# Altium PCB PROC099A_PCB.PcbDoc (part 1 of 6) (continued)
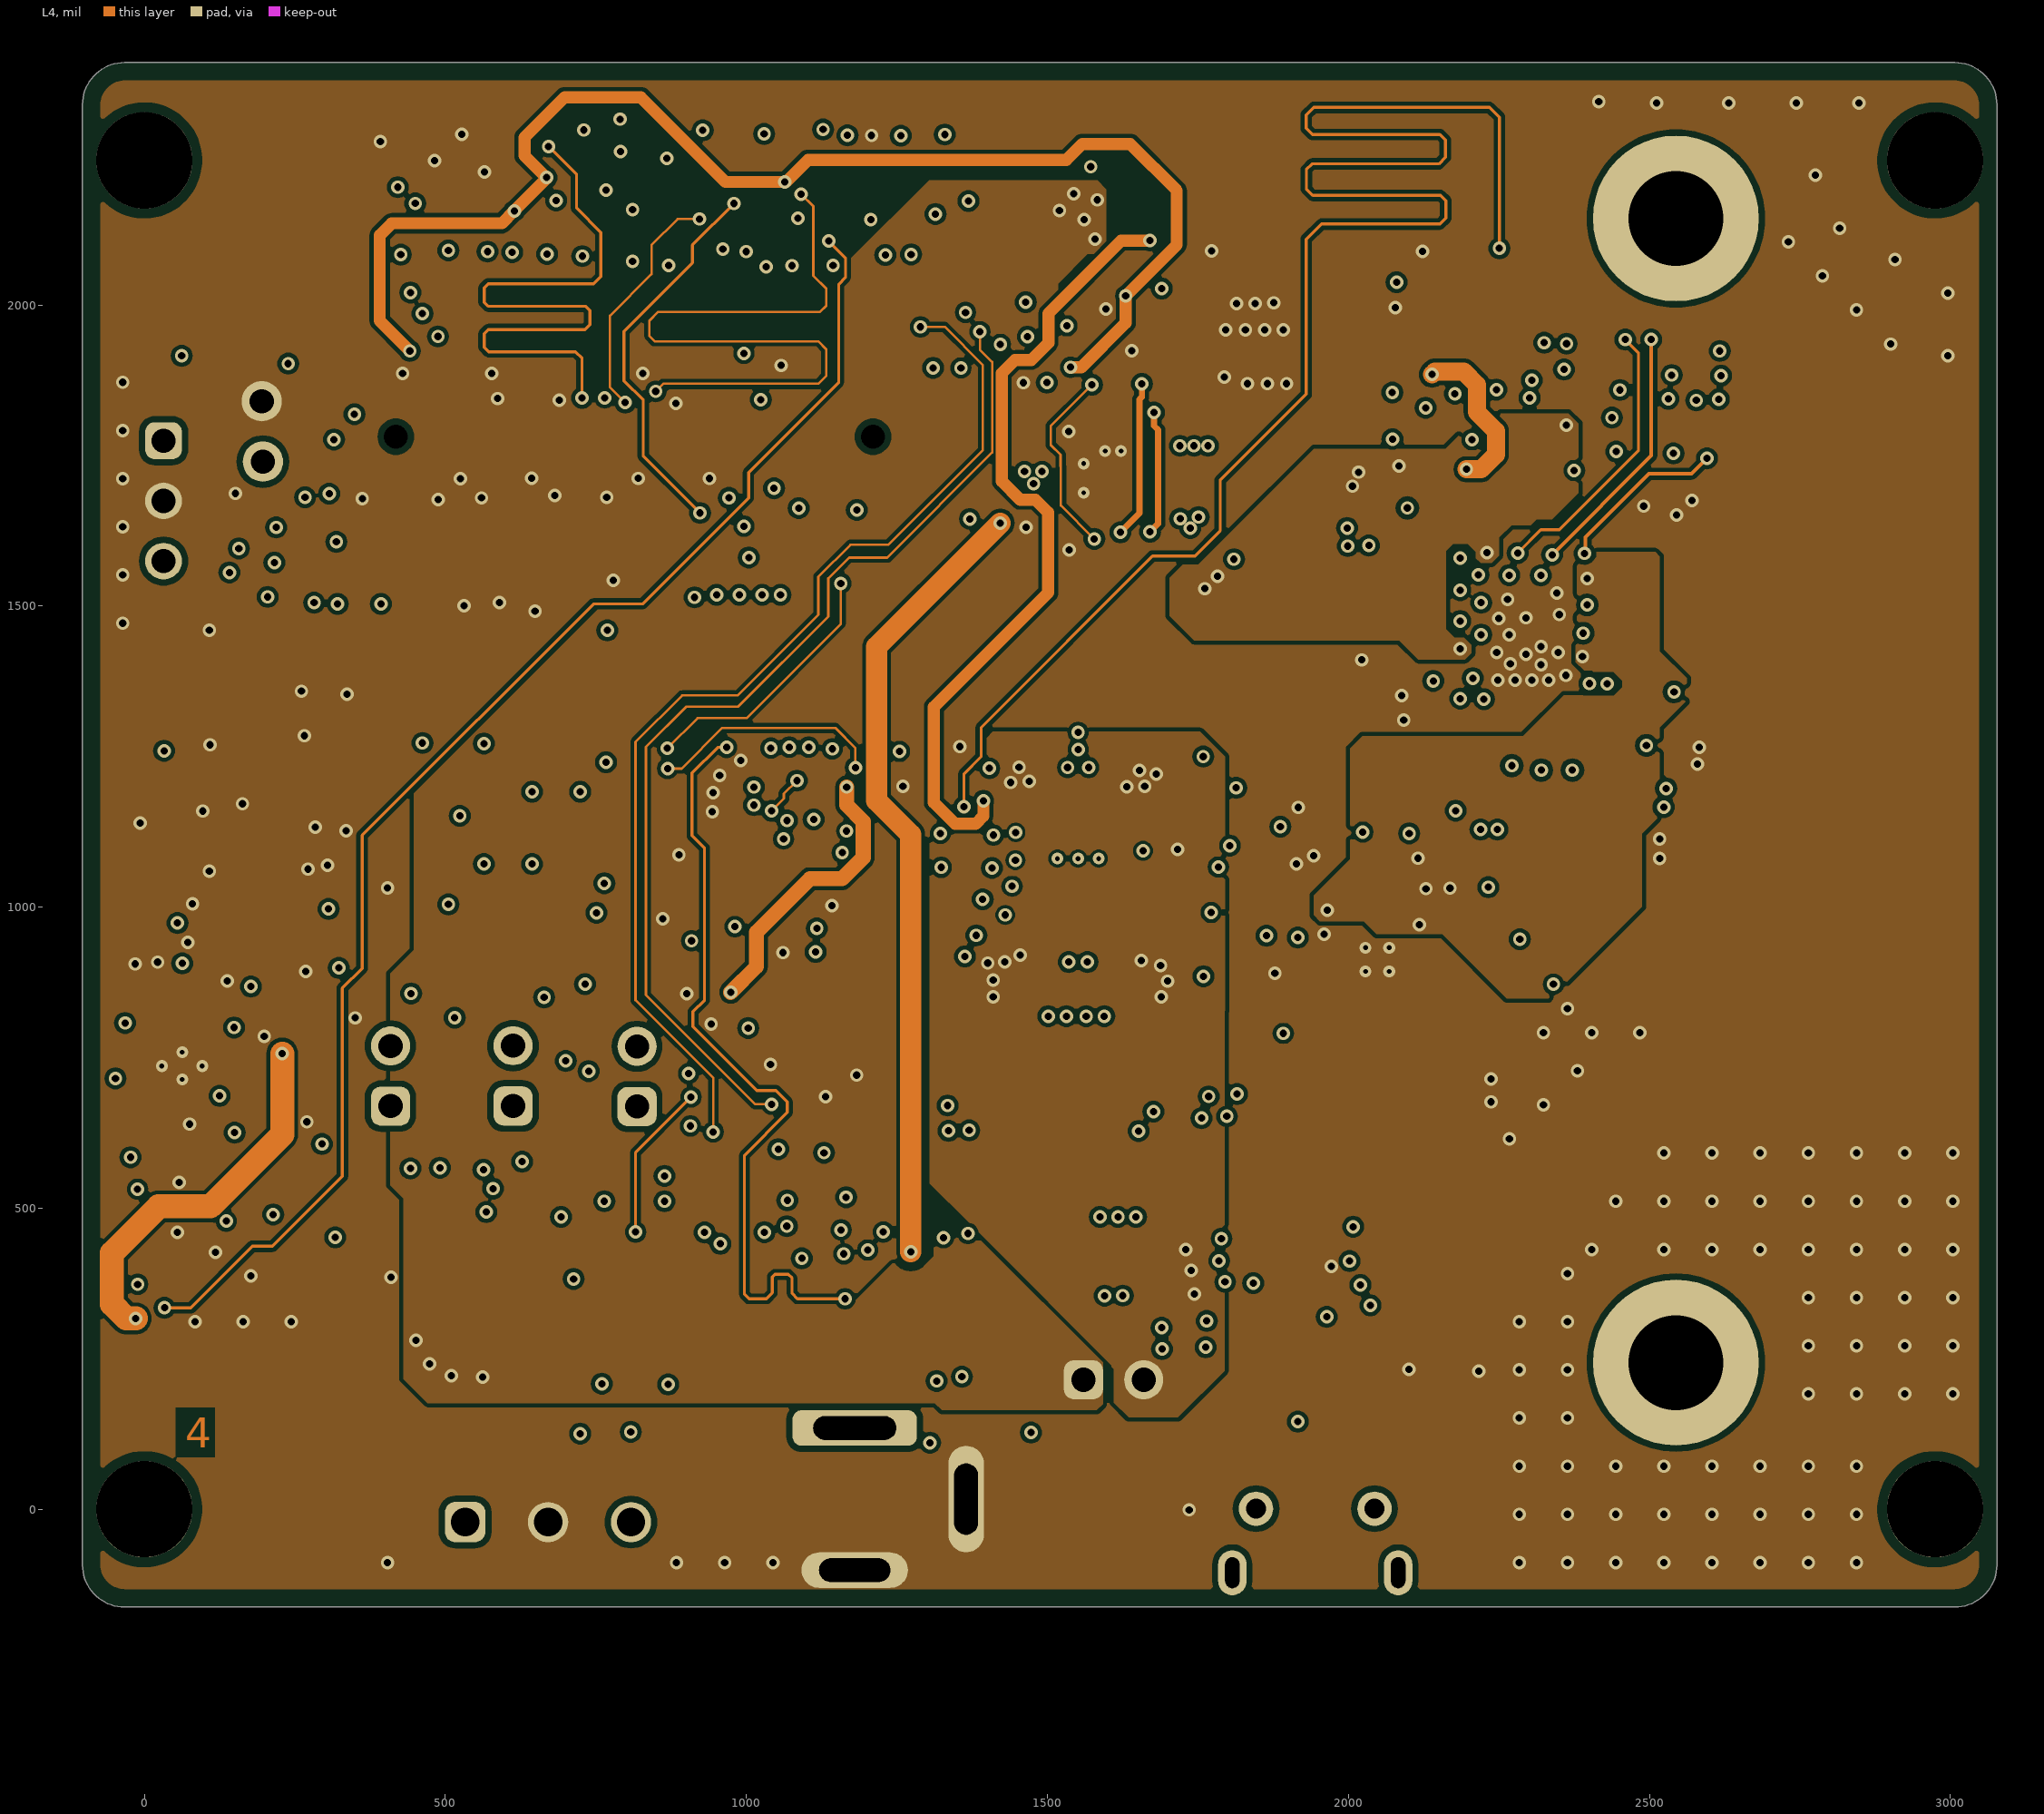
[diagram p4: L4]
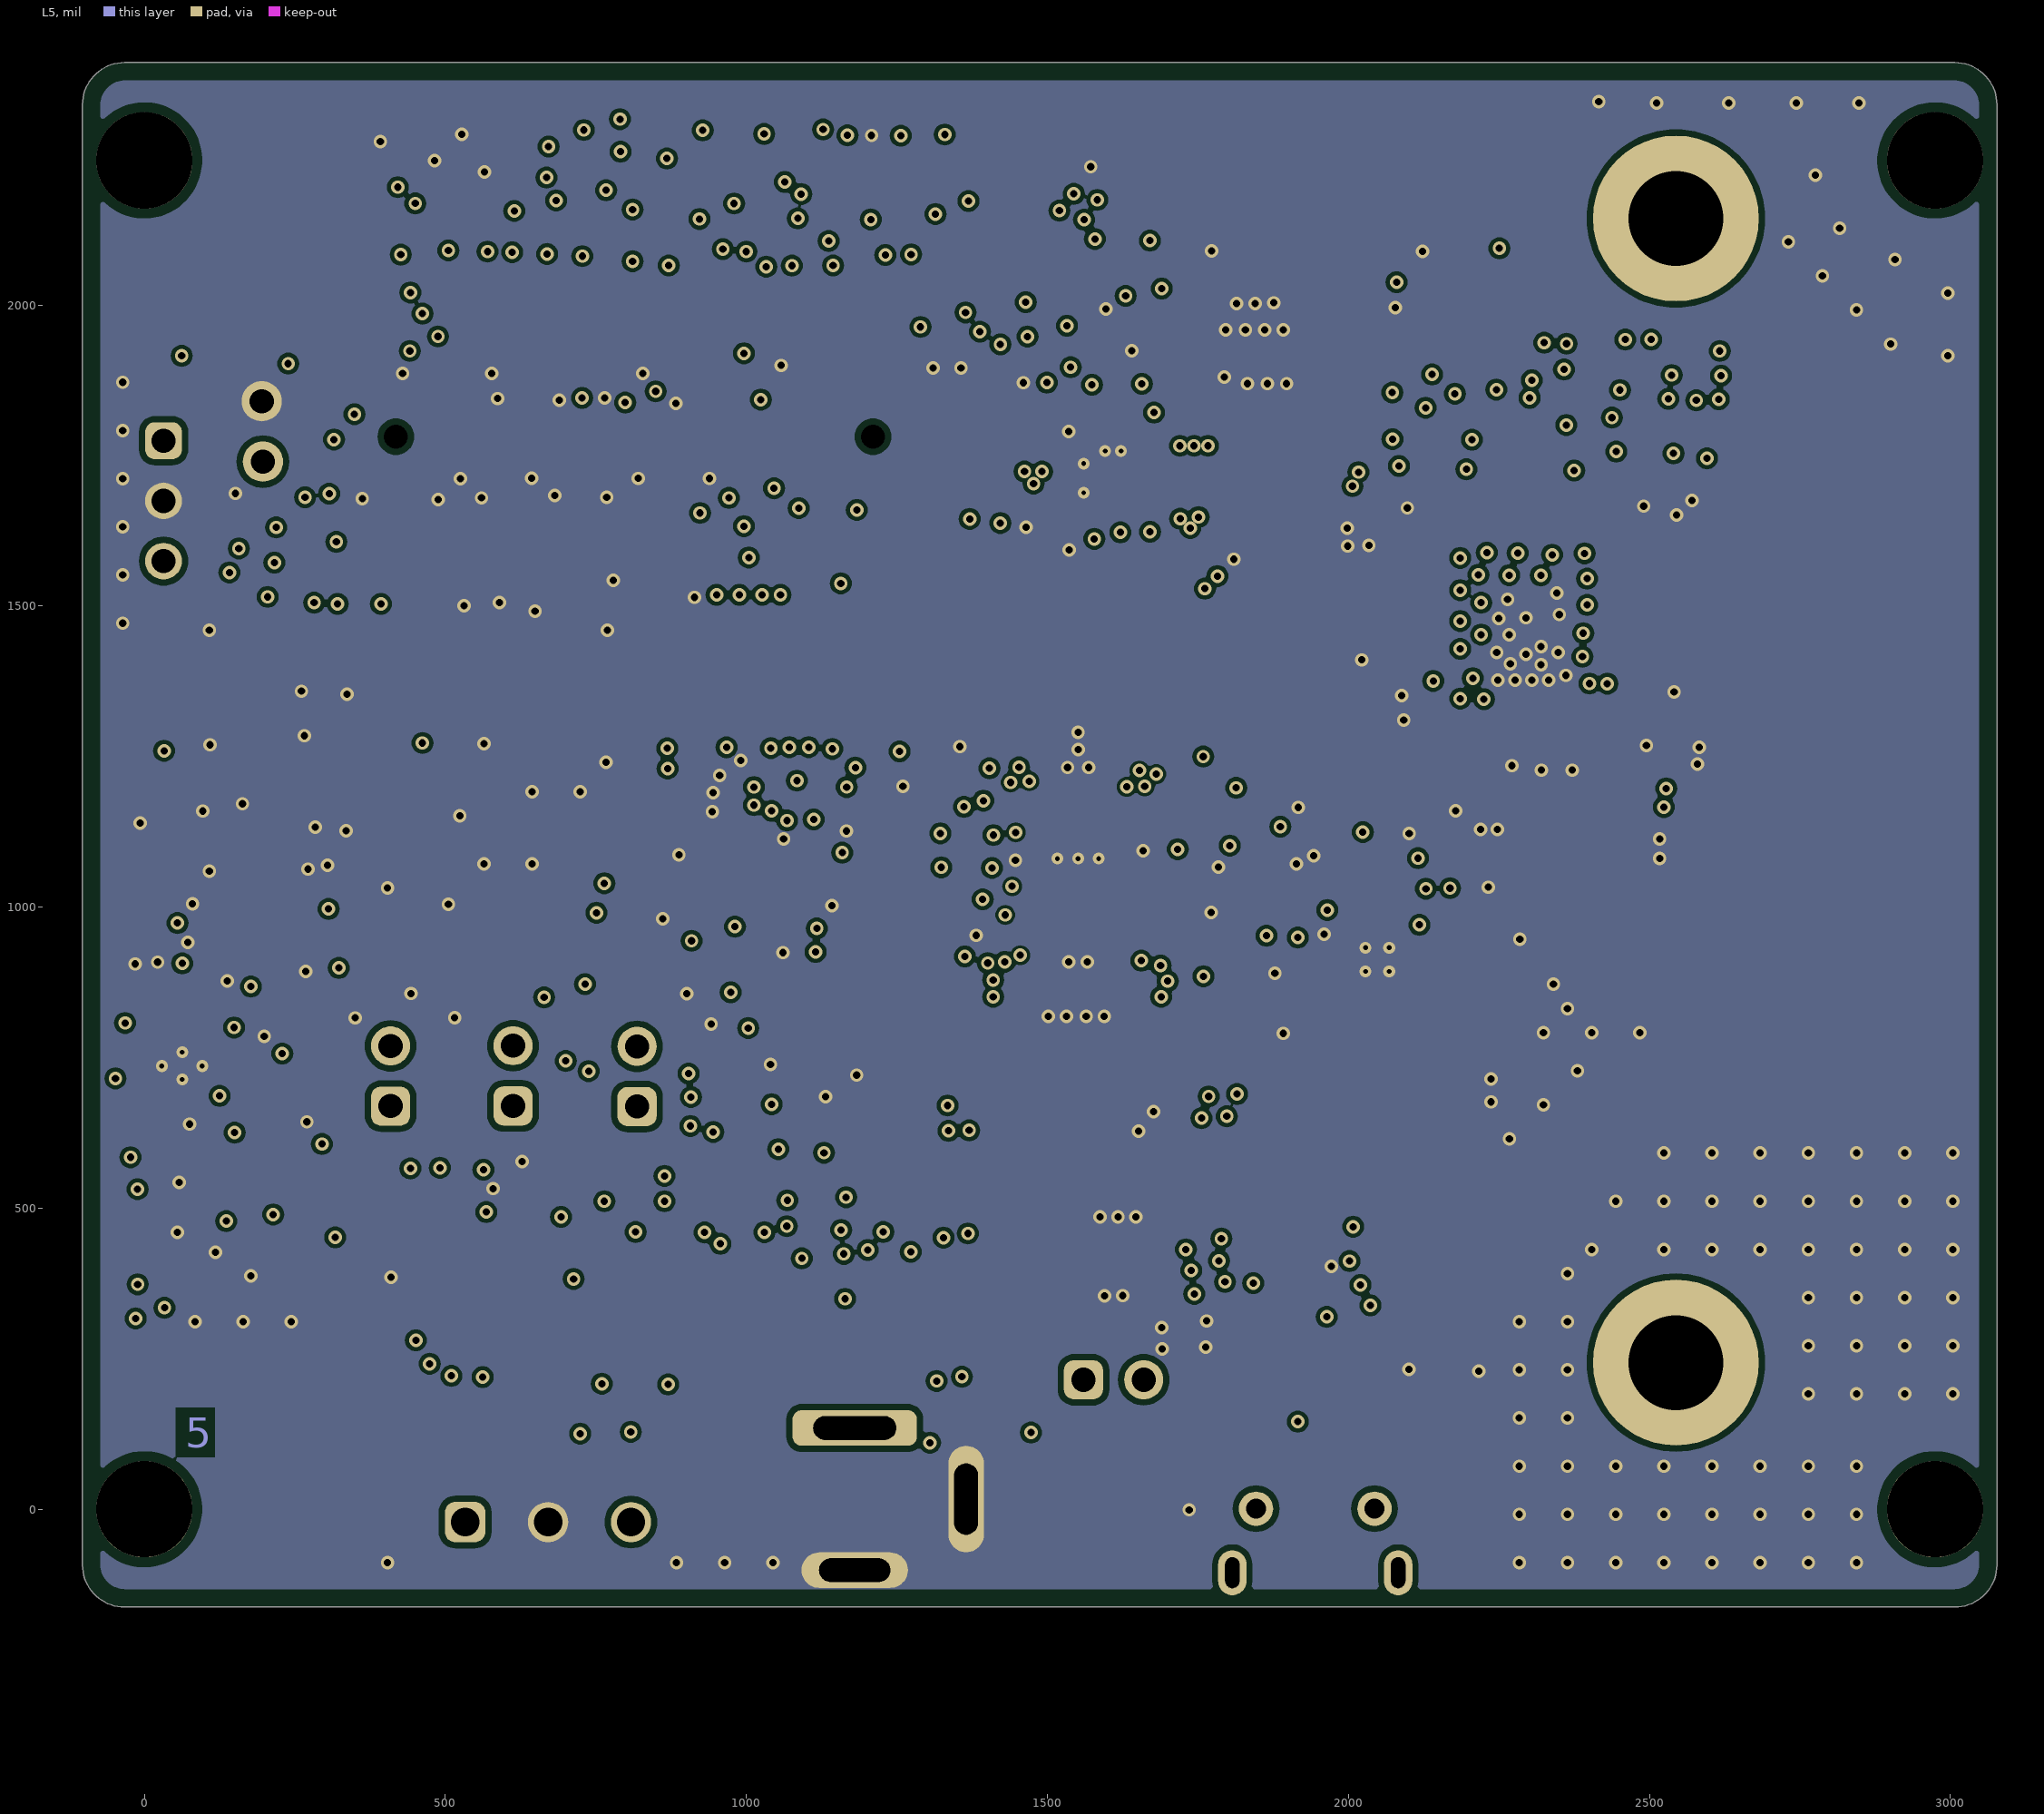
[diagram p5: L5]

## Layer stack, top to bottom
Top Solder: solder mask 0.8, Solder Resist, Dk 3.5
TOP: signal copper 1.6
Dielectric 1: core 4, RO4835 LOPRO, Dk 3.66
L2: signal copper 1.2
Dielectric2: core 2.85, FR4 370HR, Dk 3.9
Dielectric 3: dielectric 2.85, FR4 370HR, Dk 3.9
L3: signal copper 1.2
Dielectric4: core 28, FR4 370HR, Dk 4.36
L4: signal copper 1.2
Dielectric5: core 2.92, FR4 370HR, Dk 3.9
Dielectric 6: dielectric 2.92, FR4 370HR, Dk 3.9
L5: signal copper 1.2
Dielectric7: core 4, FR4 370HR, Dk 4.26
BOTTOM: signal copper 1.6
Bottom Solder: solder mask 0.8, Solder Resist, Dk 3.5

## Board outline
-32.75,-162.5 cw(c-32.75,-92.5) -102.75,-92.5 -102.75,2332.5 cw(c-32.75,2332.5) -32.75,2402.5 3007.25,2402.5 cw(c3007.25,2332.5) 3077.25,2332.5 3077.25,-92.5 cw(c3007.25,-92.5) 3007.25,-162.5

## Design rules (kind name [scope] priority, off if disabled: settings)
Clearance Clearance_RF [InNetClass('RF') and not ispad vs inpoly] p1: gap=6.73 ignorepadtopadclearanceinfootprint=FALSE
Clearance Clearance_L34 [InLayerClass('L3_L4')] p2: gap=15 ignorepadtopadclearanceinfootprint=FALSE except(0: Arc-Hole Track-Hole SMDPad-Hole THPad-Hole Via-Hole Fill-Hole Poly-Hole Region-Hole Text-Hole; 5: Arc-Track Arc-SMDPad Track-Track Track-SMDPad; 5.9: Via-Via; 6: Arc-Arc Arc-THPad Arc-Via Track-THPad Track-Via SMDPad-SMDPad SMDPad-THPad SMDPad-Via SMDPad-Fill SMDPad-Poly THPad-THPad THPad-Via Via-Fill Via-Poly; 10: THPad-Fill THPad-Poly)
Clearance Clearance_PMIC [WithinRoom('Copper to PMIC IC')] p3: gap=5 ignorepadtopadclearanceinfootprint=FALSE except(0: Arc-Hole Track-Hole SMDPad-Hole THPad-Hole Via-Hole Fill-Hole Poly-Hole Region-Hole Text-Hole; 4: Arc-Track Track-Track; 4.5: Track-Via SMDPad-SMDPad)
Clearance Clearance_BTM [OnLayer('BOTTOM')] p4: gap=15 ignorepadtopadclearanceinfootprint=FALSE except(0: Arc-SMDPad Arc-Hole Track-Hole SMDPad-Hole THPad-Hole Via-Hole Fill-Hole Poly-Hole Region-Hole Text-Hole; 4: Track-SMDPad; 4.5: Arc-Via Track-Via; 5: Arc-Arc Arc-Track Track-Track SMDPad-Via; 6: Arc-THPad Track-THPad SMDPad-SMDPad SMDPad-THPad THPad-THPad THPad-Via; 8: Arc-Fill Arc-Poly Track-Fill Track-Poly Via-Fill Via-Poly; 9: SMDPad-Fill SMDPad-Poly THPad-Fill THPad-Poly; 16.6: Via-Via)
Clearance Clearance_L25 [InLayerClass('L2_L5')] p5: gap=15 ignorepadtopadclearanceinfootprint=FALSE except(0: Arc-Hole Track-Hole SMDPad-Hole THPad-Hole Via-Hole Fill-Hole Poly-Hole Region-Hole Text-Hole; 5: Arc-Track Arc-SMDPad Track-Track Track-SMDPad; 6: Arc-Arc Arc-THPad Arc-Via Track-THPad Track-Via SMDPad-SMDPad SMDPad-THPad SMDPad-Via SMDPad-Fill SMDPad-Poly THPad-THPad THPad-Via Via-Via Via-Fill Via-Poly; 10: THPad-Fill THPad-Poly)
Clearance RX_TX_L34 [InLayerClass('L3_L4') vs InNetClass('RX_TX')] p6: gap=10 ignorepadtopadclearanceinfootprint=FALSE except(0: Arc-Hole Track-Hole SMDPad-Hole THPad-Hole Via-Hole Fill-Hole Poly-Hole Region-Hole Text-Hole; 4.86: Via-Via; 5: Arc-SMDPad Track-SMDPad; 6: Arc-Arc Arc-Track Arc-THPad Arc-Via Track-Track Track-THPad Track-Via SMDPad-SMDPad SMDPad-THPad SMDPad-Via SMDPad-Fill SMDPad-Poly THPad-THPad THPad-Via Via-Fill Via-Poly; 15: Arc-Fill Arc-Poly Track-Poly Fill-Fill Fill-Poly Poly-Poly; 16: Track-Fill)
Clearance COPLANNER [WithinRoom('COUPLE') and not OnLayer('L4')] p7: gap=3 ignorepadtopadclearanceinfootprint=FALSE except(0: Arc-Hole Track-Hole SMDPad-Hole THPad-Hole Via-Hole Fill-Hole Poly-Hole Region-Hole Text-Hole)
Clearance Clearance_1 [WithinRoom('DUT') OR InPolygon] p8: gap=6.71 ignorepadtopadclearanceinfootprint=FALSE except(0: Arc-Hole Track-Hole SMDPad-Hole THPad-Hole Via-Hole Fill-Hole Poly-Hole Region-Hole Text-Hole; 4: Track-Track Track-SMDPad Track-Via SMDPad-Via; 6.6: Via-Region; 6.72: Arc-Region Arc-Text Track-Region Track-Text SMDPad-Region SMDPad-Text THPad-Region THPad-Text Via-Text Fill-Region Fill-Text Poly-Region Poly-Text Region-Region Region-Text Text-Text; 9: SMDPad-Poly; 10: THPad-Poly)
Clearance Clearance_TOP [OnLayer('TOP')] p9: gap=10 ignorepadtopadclearanceinfootprint=FALSE except(0: Arc-SMDPad Arc-Hole Track-Hole SMDPad-Hole THPad-Hole Via-Hole Fill-Hole Poly-Hole Region-Hole Text-Hole; 4: Arc-Arc Arc-Track Arc-Via Track-Track Track-Via; 5: Track-SMDPad SMDPad-Via; 6: Arc-THPad Track-THPad SMDPad-SMDPad SMDPad-THPad THPad-THPad THPad-Via Via-Fill Via-Poly; 8: Arc-Fill Arc-Poly Track-Fill Track-Poly; 9: SMDPad-Fill SMDPad-Poly THPad-Fill THPad-Poly; 15: Fill-Fill Fill-Poly Poly-Poly; 15.4: Via-Via)
Clearance RX_TX_L25 [InLayerClass('L2_L5') vs InNetClass('RX_TX')] p10: gap=10 ignorepadtopadclearanceinfootprint=FALSE except(0: Arc-Hole Track-Hole SMDPad-Hole THPad-Hole Via-Hole Fill-Hole Poly-Hole Region-Hole Text-Hole; 5: Arc-SMDPad Track-SMDPad; 6: Arc-Arc Arc-Track Arc-THPad Arc-Via Track-Track Track-THPad Track-Via SMDPad-SMDPad SMDPad-THPad SMDPad-Via SMDPad-Fill SMDPad-Poly THPad-THPad THPad-Via Via-Fill Via-Poly; 9.1: Via-Via; 15: Arc-Fill Arc-Poly Track-Fill Track-Poly Fill-Fill Fill-Poly Poly-Poly)
Clearance RX_TX_TOP [OnLayer('TOP') vs InNetClass('RX_TX')] p11: gap=10 ignorepadtopadclearanceinfootprint=FALSE except(0: Arc-Hole Track-Hole SMDPad-Hole THPad-Hole Via-Hole Fill-Hole Poly-Hole Region-Hole Text-Hole; 4: Arc-Track Arc-SMDPad Track-Track Track-SMDPad SMDPad-Via; 6: Arc-THPad Track-THPad SMDPad-SMDPad SMDPad-THPad THPad-THPad THPad-Via THPad-Fill THPad-Poly; 6.7: Arc-Fill Arc-Poly Track-Fill Track-Poly; 6.72: Arc-Via Track-Via Via-Fill Via-Poly; 9: SMDPad-Fill SMDPad-Poly; 15.4: Via-Via)
Clearance same_net_cl_inner [InLayerClass('layers')] p12: gap=10 ignorepadtopadclearanceinfootprint=FALSE except(0: Arc-Hole Track-Hole SMDPad-Hole THPad-Hole Via-Hole Fill-Hole Poly-Hole Region-Hole Text-Hole; 5: Arc-THPad Track-Track Track-SMDPad Track-THPad SMDPad-SMDPad SMDPad-THPad THPad-THPad; 6: Track-Via SMDPad-Via THPad-Via Via-Via Via-Fill Via-Poly; 15: Arc-Fill Arc-Poly Fill-Fill Fill-Poly Poly-Poly)
ComponentClearance [All] p1: gap=-1 collisioncheckmode=3 verticalgap=2 showdistances=FALSE
DiffPairsRouting DiffPairsRouting_USB [InNetClass('USB')] p1: maxlimit=5.6 minlimit=5.6 mostfreqgap=5.6 toplayer_minwidth=6 toplayer_maxwidth=6 toplayer_prefwidth=6 midlayer1_minwidth=6 midlayer1_maxwidth=6 midlayer1_prefwidth=6 midlayer2_minwidth=6 midlayer2_maxwidth=6 midlayer2_prefwidth=6 midlayer3_minwidth=6 midlayer3_maxwidth=6 midlayer3_prefwidth=6 midlayer4_minwidth=6 midlayer4_maxwidth=6 midlayer4_prefwidth=6 bottomlayer_minwidth=6 bottomlayer_maxwidth=6 bottomlayer_prefwidth=6 maxuncoupledlength=500
DiffPairsRouting DiffPairsRouting_LVDS [InNetClass('LVDS')] p2: maxlimit=5 minlimit=5 mostfreqgap=5 toplayer_minwidth=4 toplayer_maxwidth=5.2 toplayer_prefwidth=5.2 midlayer1_minwidth=4 midlayer1_maxwidth=5.2 midlayer1_prefwidth=5.2 midlayer2_minwidth=4 midlayer2_maxwidth=5.2 midlayer2_prefwidth=5.2 midlayer3_minwidth=4 midlayer3_maxwidth=5.2 midlayer3_prefwidth=5.2 midlayer4_minwidth=4 midlayer4_maxwidth=5.2 midlayer4_prefwidth=5.2 bottomlayer_minwidth=4 bottomlayer_maxwidth=5.2 bottomlayer_prefwidth=5.2 maxuncoupledlength=500
HoleSize [All] p1: absolutevalues=TRUE maxlimit=200 minlimit=5.9 maxpercent=80.000 minpercent=20.000
MinimumAnnularRing [All] p1: minimumring=3
MinimumSolderMaskSliver [All] p1: minsoldermaskwidth=2
PlaneConnect [All] p1: planeconnectstyle=Direct reliefexpansion=20 reliefentries=4 reliefconductorwidth=10 reliefairgap=10
PolygonConnect [All] p1: connectstyle=Direct reliefconductorwidth=10 reliefentries=4 polygonreliefangle="90 Angle" airgapwidth=10
RoomDefinition "Copper to PMIC IC" [All] p1: confinementstyle=ConfineIn formatcopy=TRUE lockcomponents=FALSE outline 1421.5,1231.65 1686.44,1231.65 1686.44,914.22 1421.5,914.22
RoomDefinition DUT [InComponentClass('DUT')] p2: confinementstyle=ConfineIn formatcopy=TRUE lockcomponents=FALSE outline 3046.69,814.25 2272.5,814.25 2228.68,858.9 2228.68,1299.21 2052.17,1299.21 2052.17,1299.2 2052.17,1733.31 3043.03,1733.31
RoomDefinition COUPLE [WithinRoom('CO_PLANNER')] p3: confinementstyle=ConfineOut formatcopy=TRUE lockcomponents=FALSE outline 1578.38,2327.87 1578.38,2213.88 1578.37,2213.87 1968.78,2213.87 1968.78,2134.62 2365.38,2134.62 2365.38,2327.86 1578.37,2327.86
RoutingVias [All] p1: holewidth=28 width=50 viastyle="Through Hole" minholewidth=5 minwidth=15 maxholewidth=28 maxwidth=50
SilkToBoardRegionClearance [Not ((IsComment or IsDesignator) And (Hide <> 'False')) and not InRegion(1000,500,4000,800)] p1:
SilkToSilkClearance [All] p1: silktosilkclearance=3
SilkToSolderMaskClearance [IsPad] p1: minsilkscreentomaskgap=3 clearancetoexposedcopper=TRUE
SolderMaskExpansion [All] p1: expansion=0
Width [All] p1: maxlimit=100 minlimit=4 preferedwidth=10
22 further rules are at their usual default settings.

## Classes and differential pairs
component class Shunt: Z19 Z21
net class USB: XDSET_1_D_N XDSET_1_D_P
net class Undefined: NetR128_2
net class SPI: AR_CS1 AR_HOSTINTR1 AR_MISO1 AR_MOSI1 AR_SPICLK1 CS1 D_LOGGER MISO1 MOSI1 NetJ1_7 NetJ1_9 NetJ1_10 NetJ1_11 NetJ1_12 NetJ5_13 NetJ6_12 NetJ6_14 NetJ6_16 SPICLK1
net class RF: RX1 RX2 RX3 RX4 TX1 TX2 TX3
net class QSPI: AR_QSPI_CS AR_QSPI_D0 AR_QSPI_D1 AR_QSPI_D2 AR_QSPI_D3 AR_QSPI_SCLK NetR39_2 NetR40_1 NetR42_2 NetR44_1 NetR45_1
net class PWR: 3V3_BRD 3V3_MON_XDS_1 5V_IN 5V_UNREG +3.3VD AR_1P3_RF1 AR_1P3_RF2 AR_1V2 AR_1V4_APLL AR_1V4_SYNTH AR_1V8 AR_VBGAP AR_VOUT_PA GND MCU_3V3 MCU_5V NetC1_2 NetC18_2 NetC26_1 NetC28_1 NetC46_1 NetC78_1 NetC79_2 NetF1_2 PGOOD PMIC_1V0 PMIC_1V2 PMIC_1V8 PMICOUT_3V3 PMICVIO_3V3 VDDC_1 XDSET_1_VBUS XDSET_VBAT XDSET_VREFA
net class LVDS: AR_LVDS_VALID_N AR_LVDS_VALID_P AR_LVDSCSI0_N AR_LVDSCSI0_P AR_LVDSCSI1_N AR_LVDSCSI1_P AR_LVDSCSI2_N AR_LVDSCSI2_P AR_LVDSCSI3_N AR_LVDSCSI3_P AR_LVDSCSI_CLK_N AR_LVDSCSI_CLK_P AR_LVDSCSI_FRCLK_N AR_LVDSCSI_FRCLK_P HD_LVDS_VALID_N HD_LVDS_VALID_P HD_LVDSCSI0_N HD_LVDSCSI0_P HD_LVDSCSI1_N HD_LVDSCSI1_P HD_LVDSCSI2_N HD_LVDSCSI2_P HD_LVDSCSI3_N HD_LVDSCSI3_P HD_LVDSCSI_CLK_N HD_LVDSCSI_CLK_P HD_LVDSCSI_FRCLK_N HD_LVDSCSI_FRCLK_P
net class JTAG: AR_TCK AR_TDI AR_TDO_SOP0 AR_TMS NetJ1_4 NetJ1_5 NetJ1_6 NetJ1_8 XDSET_TCK XDSET_TDI XDSET_TDO XDSET_TMS
net class GENERAL: AR_ANAMUX AR_ANATEST1 AR_ANATEST2 AR_ANATEST3 AR_ANATEST4 AR_BSS_LOGGER AR_GPIO_0 AR_GPIO_1 AR_GPIO_2 AR_MSS_LOGGER AR_NERR_OUT AR_NERRIN AR_NRST AR_RS232RX AR_RS232TX AR_SCL AR_SDA AR_SYNC_IN AR_SYNC_OUT_SOP1 AR_VSENSE AR_WARMRST LDO_01_EN LDO_02_EN MCU_SOP0 MCU_SOP1 MCU_SOP2 NetC22_1 NetC71_2 NetC86_1 NetC87_1 NetC88_1 NetC89_1 NetD2_1 NetDS1_1 NetDS2_1 NetDS3_1 NetDS3_2 NetDS4_1 NetDS4_2 NetDS5_1 NetJ1_13 NetJ1_14 NetJ1_16 NetJ5_6 NetJ5_8 NetJ5_9 NetJ5_10 NetJ5_12 NetJ5_14 NetJ5_15 NetJ5_16 NetJ5_18 NetJ5_19 NetJ6_1 NetJ6_3 NetJ6_8 NetJ6_9 NetJ6_10 NetJ6_11 NetJ6_13 NetJ6_15 NetJ6_17 NetJ6_18 NetJ6_19 NetQ1_1 NetQ2_1 NetR68_1 NetR72_1 NetR79_2 NetR86_1 NetR88_2 NetR95_1 NetR98_2 NetR123_1 NetR124_1 NetR126_1 NetR127_1 NetR129_2 NetR143_1 NetR144_2 NetR146_1 NetR147_1 NetR152_1 NetR194_2 NetR197_2 NetR198_2 PGOOD PMIC_EN1 PMIC_EN2 PMIC_EN3 PMIC_NRST SS_CTRL SW0 SW1 SW2 SW3 VBUS_1_DETECT XDSET_1_ID XDSET_LOGGER XDSET_NRST
net class CLK: AR_MCUCLKOUT AR_OSC_CLKOUT AR_PMIC_CLKOUT_SOP2 AR_XTALM AR_XTALP NetJ2_1 NetJ5_20 NetJ6_5 PMIC_CLK XDSET_OSC0 XDSET_OSC1
net class CAN: CAN_RX CAN_TX NetC24_2 NetJ3_1 NetJ3_3 NetR11_2 NetR12_2
component class "PROC099A_XDS110 Interface_1B": C49 C63 C66 C67 C70 C71 R123 R124 R126 R127 R128 R129 R134 R135 R136 R140 R152 R154 R155 R194 U6 U7 Y2
component class "PROC099A_XDS110 Interface_1A": C41 C42 C43 C50 C61 C62 C64 C69 C74 C75 C76 C77 C78 C79 C80 J8 R151 R153 R156 R157 R158 R159 R161 R174 R175 R176 U9 U10
component class PROC099A_Tempsensor: C84 C85 R179 R180 R181 R182 R183 R184 R185 R186 R187 R188 U11 U12
component class PROC099A_Decoupling_Caps_Reference: C3 C4 C5 C6 C7 C10 C12 C13 C14 C17 C39 C45 C47 C48 C51 C52 C53 C56 C57 C58 C65 C83
component class PROC099A_QSPI_Flash_Reference: C1 C2 R37 R38 R39 R40 R41 R42 R43 R44 R45 U1
component class PROC099A_Pwr_RST_LEDs: C11 C26 C27 D2 D3 DS1 DS2 DS3 DS4 DS5 F1 FB1 FB2 P5 P6 Q1 Q2 R68 R72 R73 R74 R77 R79 R80 R90 R100 R103 R110 R116 R117 R118 R130 R133 R160 R189 SW1 SW2
component class PROC099A_PMIC_Reference: C54 C55 C59 C60 C68 C72 C73 C81 C82 C86 C87 C88 C89 L1 L2 L3 L4 R138 R139 R141 R142 R143 R144 R145 R146 R147 R148 R149 R150 R190 R191 R192 R193 U8
component class "PROC099A_LP Connector": J4 J5 J6 J7 P1 R1 R2 R3 R4 R5 R6 R8 R9 R10 R18 R19 R24 R25 R26 R31 R32 R35 R36 R76 R94 R102 R104 R105 R106 R107 R108 R109 R115 R162 R163 R164 R165 R166 R167 R168 R169 R172 R173
component class PROC099A_LDO: C18 C21 C22 C23 C25 C28 C29 C30 C31 C32 C35 C37 C40 C44 C46 R46 R47 R81 R82 R83 R84 R119 R120 R121 R122 R131 R132 U4 U5
component class "PROC099A_HD Connector": J1 J2 R7 R17 R20 R21 R22 R23 R27 R28 R29 R30 R33 R34 R48 R49 R50 R51 R52 R53 R54 R55 R56 R57 R58 R59 R60 R61 R62 R63 R64 R65 R66 R67 R69 R70 R71 R75 R111
component class PROC099A_SOP_Headers_Reference: P2 P3 P4 R88 R89 R92 R93 R95 R96 R97 R98 R99 R101 R112 R113 R114
component class "PROC099A_CAN Interface": C16 C20 C24 C90 J3 R11 R12 R78 R85 R86 R87 R125 R177 R178 R195 S1 U3 U13
component class Header: P1 P2 P3 P4 P5
component class Label: LBL1
component class AssemblyNote: ZZ1 ZZ2 ZZ3 ZZ4 ZZ5
component class FiducialMark: FID1 FID2 FID3 FID4 FID5 FID6 FID7
component class PROC099A_Hardware: "CAUTION HOT SURFACE1" "ESD Susceptible1" FID1 FID2 FID3 FID4 FID5 FID6 FID7 LBL1 Logo1 Logo2 Logo3 LOGO4 ZZ1 ZZ2 ZZ3 ZZ4 ZZ5
component class Logo: Logo1
polygon class ANTP: TOP-RX1 TOP-RX2 TOP-RX3 TOP-RX4 TOP-TX1 TOP-TX2 TOP-TX3
component class PROC099A_DUT_Reference: C8 C9 C15 R13 R14 R15 R16 R91 R170 R171 R196 R197 R198 TP1 TP2 U2 Y1
component class PROC099A_LC_Filtering_Reference: C19 C33 C34 C36 C38 C91 L5 L7 L8 L9 R137
differential pair XDSET_1_D: +XDSET_1_D_P -XDSET_1_D_N
differential pair HD_LVDSCSI_FRCLK: +HD_LVDSCSI_FRCLK_P -HD_LVDSCSI_FRCLK_N
differential pair HD_LVDSCSI_CLK: +HD_LVDSCSI_CLK_P -HD_LVDSCSI_CLK_N
differential pair HD_LVDSCSI3: +HD_LVDSCSI3_P -HD_LVDSCSI3_N
differential pair HD_LVDSCSI2: +HD_LVDSCSI2_P -HD_LVDSCSI2_N
differential pair HD_LVDSCSI1: +HD_LVDSCSI1_P -HD_LVDSCSI1_N
differential pair HD_LVDSCSI0: +HD_LVDSCSI0_P -HD_LVDSCSI0_N
differential pair HD_LVDS_VALID: +HD_LVDS_VALID_P -HD_LVDS_VALID_N
differential pair AR_LVDSCSI_FRCLK: +AR_LVDSCSI_FRCLK_P -AR_LVDSCSI_FRCLK_N
differential pair AR_LVDSCSI_CLK: +AR_LVDSCSI_CLK_P -AR_LVDSCSI_CLK_N
differential pair AR_LVDSCSI3: +AR_LVDSCSI3_P -AR_LVDSCSI3_N
differential pair AR_LVDSCSI2: +AR_LVDSCSI2_P -AR_LVDSCSI2_N
differential pair AR_LVDSCSI1: +AR_LVDSCSI1_P -AR_LVDSCSI1_N
differential pair AR_LVDSCSI0: +AR_LVDSCSI0_P -AR_LVDSCSI0_N
differential pair AR_LVDS_VALID: +AR_LVDS_VALID_P -AR_LVDS_VALID_N
